# KiCad board pcb.kicad_pcb (continued)
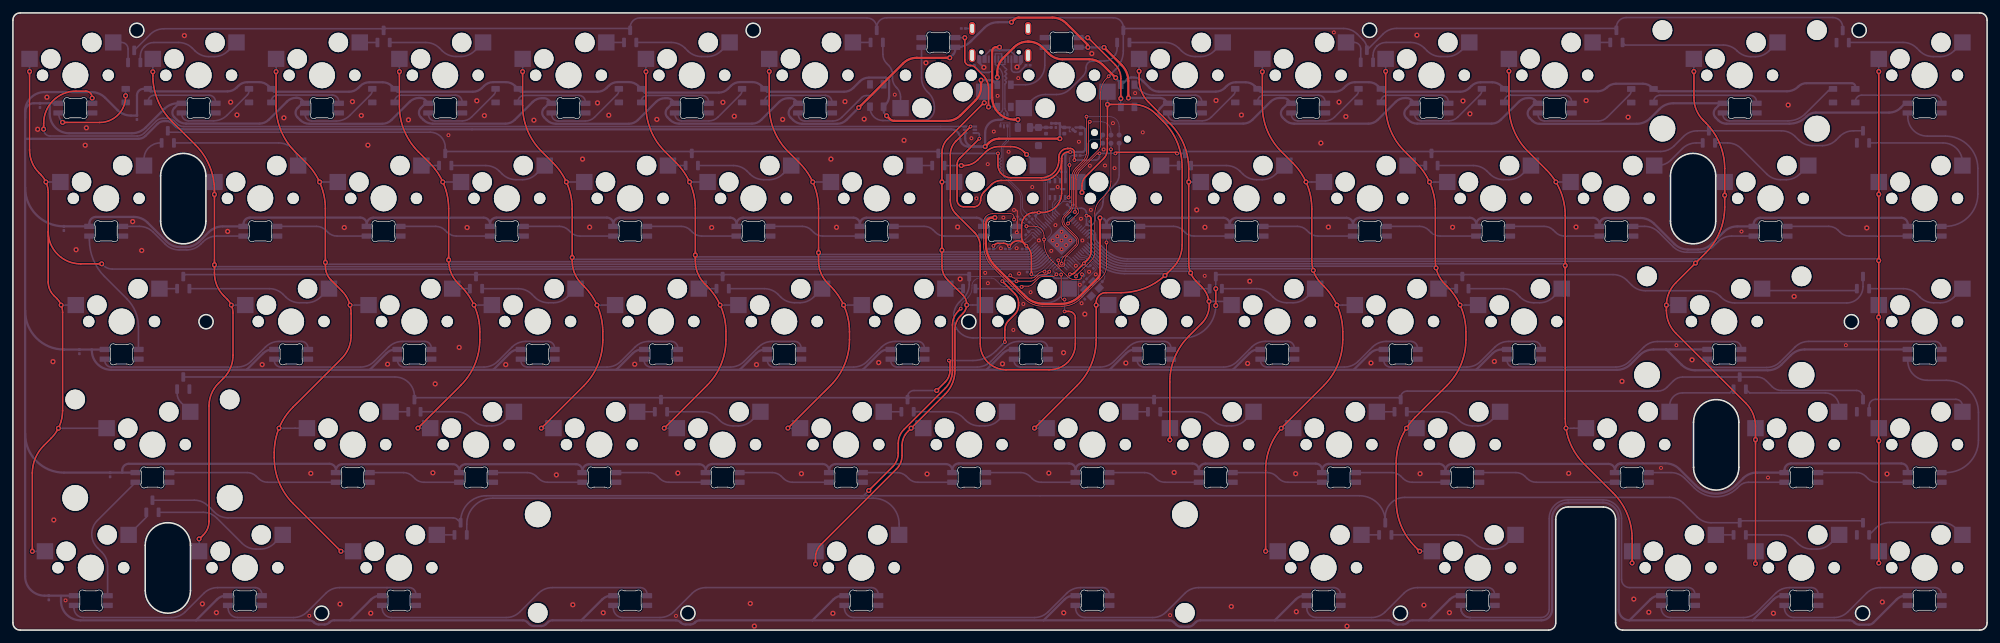
[diagram p0: board, top side]
## Routing (per net, layer and track width the routed paths; a pad name or vN(x,y) marks a point on that pad's centre or on a via; arc(x,y) is an arc through that point) (continued)
Net-(D19-DIN): length 11.9
  Bottom w0.25: D19.4 88.45,81.74 arc(88.16,82.45) 87.45,82.74 79.03,82.74 arc(78.32,82.45) 78.03,81.74 D4.4
Net-(D19-DOUT): length 13.5
  Bottom w0.25: D5.2 93.63,83.53 arc(93.55,83.15) 93.33,82.83 89.86,79.36 arc(89.22,78.92) 88.45,78.77 84.25,78.77 arc(83.54,79.06) 83.25,79.77 D19.2
Net-(D20-DIN): length 11.9
  Bottom w0.25: D5.4 97.08,81.74 arc(97.37,82.45) 98.08,82.74 106.5,82.74 arc(107.21,82.45) 107.5,81.74 D20.4
Net-(D20-DOUT): length 13.5
  Bottom w0.25: D6.2 112.67,83.51 arc(112.59,83.13) 112.37,82.81 108.94,79.38 arc(108.29,78.94) 107.53,78.79 103.3,78.79 arc(102.59,79.08) 102.3,79.79 D20.2
Net-(D21-DIN): length 11.9
  Bottom w0.25: D6.4 116.12,81.74 arc(116.41,82.45) 117.12,82.74 125.55,82.74 arc(126.26,82.45) 126.55,81.74 D21.4
Net-(D21-DOUT): length 16.2
  Bottom w0.25: D21.2 121.35,79.77 arc(121.64,79.06) 122.35,78.77 126.68,78.77 arc(127.45,78.92) 128.09,79.36 131.15,82.42 arc(131.48,82.63) 131.86,82.71 132.39,82.71 arc(132.78,82.79) 133.1,83 D7.2
Net-(D22-DIN): length 22.4
  Bottom w0.25: D7.4 132.44,80.85 arc(133.02,79.43) 134.44,78.85 140.62,78.85 arc(141.87,79.36) 142.38,80.61 142.38,80.98 arc(142.16,82.13) 141.51,83.1 141.28,83.33 arc(140.63,84.3) 140.4,85.45 D22.4
Net-(D22-DOUT): length 15.3
  Top w0.25: v1(147.09,91.67) 147.09,88.18 arc(147.33,87.6) 147.9,87.36 148.03,87.36 arc(148.38,87.29) 148.67,87.09 149.98,85.78 150.2,85.51 150.38,85.23 150.52,84.92 150.64,84.6 150.71,84.27 150.75,83.93 150.75,83.76 v1(150.75,80.94)
  Bottom w0.25: D22.2 147.08,91.68 v1(147.09,91.67) ; D8.2 150.76,80.94 v1(150.75,80.94)
Net-(D23-DIN): length 9.8
  Bottom w0.25: D23.4 159.45,87.39 arc(158.57,85.27) 156.45,84.39 D8.4
Net-(D23-DOUT): length 14.2
  Top w0.25: v1(171.2,82.25) 171.2,85.37 arc(170.97,86.52) 170.32,87.49 166.14,91.67 v1(166.08,91.67)
  Bottom w0.25: v1(166.08,91.67) 164.66,91.67 D23.2 ; D9.2 v1(171.2,82.25)
Net-(D24-DIN): length 11.8
  Bottom w0.25: D24.4 183.7,81.77 arc(183.41,82.48) 182.7,82.77 176.17,82.77 arc(175.02,83) 174.05,83.65 D9.4
Net-(D29-DOUT): length 28.4
  Bottom w0.25: D44.4 298.63,62.47 arc(302.16,63.93) 303.63,67.47 303.63,71.44 arc(302.16,74.98) 298.63,76.44 295.8,76.44 arc(293.68,77.32) 292.8,79.44 D29.2
Net-(D30-DIN): length 20.5
  Bottom w0.25: D31.2 31.5,60.97 arc(30.36,60.74) 29.38,60.09 29,59.71 arc(28.03,59.06) 26.88,58.83 25.67,58.83 arc(24.52,59.06) 23.54,59.71 21.66,61.59 arc(20.69,62.24) 19.54,62.47 D30.4
Net-(D30-DOUT): length 20.1
  Bottom w0.25: D45.4 19.39,46.93 arc(18.93,49.28) 17.6,51.27 14.16,54.71 arc(12.42,57.31) 11.81,60.37 D30.2
Net-(D31-DIN): length 14.3
  Bottom w0.25: D32.2 50.08,60.97 arc(49.31,61.12) 48.66,61.56 48.33,61.88 arc(47.68,62.32) 46.92,62.47 D31.4
Net-(D32-DIN): length 14.3
  Bottom w0.25: D33.2 68.51,60.97 arc(67.74,61.12) 67.09,61.56 66.76,61.88 arc(66.11,62.32) 65.35,62.47 D32.4
Net-(D33-DIN): length 14.3
  Bottom w0.25: D34.2 87.61,60.97 arc(86.84,61.12) 86.19,61.56 85.86,61.88 arc(85.21,62.32) 84.45,62.47 D33.4
Net-(D34-DIN): length 14.3
  Bottom w0.25: D34.4 103.27,62.47 arc(104.03,62.32) 104.68,61.88 105.01,61.56 arc(105.66,61.12) 106.43,60.97 D35.2
Net-(D35-DIN): length 14.3
  Bottom w0.25: D35.4 121.98,62.47 arc(122.74,62.32) 123.39,61.88 123.72,61.56 arc(124.37,61.12) 125.14,60.97 D36.2
Net-(D36-DIN): length 14.3
  Bottom w0.25: D36.4 140.81,62.47 arc(141.57,62.32) 142.22,61.88 142.55,61.56 arc(143.2,61.12) 143.97,60.97 D37.2
Net-(D37-DIN): length 42.1
  Top w0.128: v2(168.98,59.99) 168.98,56.34 arc(168.79,55.38) 168.24,54.56 164.96,51.29 arc(163.66,50.42) 162.13,50.11 159.11,50.11 arc(157.58,50.42) 156.28,51.29 151.44,56.13 arc(150.35,57.75) 149.97,59.67 149.97,63.04 arc(150.38,64.03) 151.37,64.44 154.19,64.44 arc(154.54,64.29) 154.69,63.94 v2(154.69,63.54)
  Bottom w0.128: D37.4 155.12,62.94 arc(155.09,63.09) 155.01,63.22 v2(154.69,63.54) ; v2(168.98,59.99) 168.97,59.99 D38.2
Net-(D38-DIN): length 14.3
  Bottom w0.25: D39.2 182.51,60.97 arc(181.74,61.12) 181.09,61.56 180.76,61.88 arc(180.11,62.32) 179.35,62.47 D38.4
Net-(D39-DIN): length 14.3
  Bottom w0.25: D40.2 201.65,60.97 arc(200.88,61.12) 200.23,61.56 199.9,61.88 arc(199.25,62.32) 198.49,62.47 D39.4
Net-(D40-DIN): length 14.3
  Bottom w0.25: D41.2 220.53,60.97 arc(219.76,61.12) 219.11,61.56 218.78,61.88 arc(218.13,62.32) 217.37,62.47 D40.4
Net-(D41-DIN): length 14.3
  Bottom w0.25: D41.4 236.62,62.47 arc(237.38,62.32) 238.03,61.88 238.36,61.56 arc(239.01,61.12) 239.78,60.97 D42.2
Net-(D42-DIN): length 20.8
  Bottom w0.25: D42.4 252.16,62.47 arc(253.31,62.24) 254.28,61.59 256.53,59.34 arc(257.5,58.69) 258.65,58.46 260.58,58.46 arc(261.73,58.69) 262.7,59.34 263.45,60.09 arc(264.43,60.74) 265.57,60.97 D43.2
Net-(D43-DIN): length 19.1
  Bottom w0.25: D44.2 283.76,60.97 arc(282.99,61.12) 282.34,61.56 282.01,61.88 arc(281.36,62.32) 280.6,62.47 D43.4
Net-(D45-DOUT): length 34.4
  Bottom w0.25: D46.4 45.59,43.67 arc(45.29,44.38) 44.59,44.67 41.14,44.67 arc(39.99,44.44) 39.01,43.79 36.8,41.58 arc(35.83,40.93) 34.68,40.7 15.19,40.7 arc(14.49,40.99) 14.19,41.7 D45.2
Net-(D46-DOUT): length 27.2
  Bottom w0.25: D47.4 64.64,43.67 arc(64.34,44.38) 63.64,44.67 60.17,44.67 arc(59.03,44.44) 58.05,43.79 55.84,41.58 arc(54.87,40.93) 53.72,40.7 41.39,40.7 arc(40.68,40.99) 40.39,41.7 D46.2
Net-(D47-DOUT): length 27.2
  Bottom w0.25: D48.4 83.69,43.67 arc(83.39,44.38) 82.69,44.67 79.24,44.67 arc(78.1,44.44) 77.12,43.79 74.91,41.58 arc(73.94,40.93) 72.79,40.7 60.44,40.7 arc(59.73,40.99) 59.44,41.7 D47.2
Net-(D48-DOUT): length 27.2
  Bottom w0.25: D49.4 102.74,43.67 arc(102.44,44.38) 101.74,44.67 98.25,44.67 arc(97.11,44.44) 96.13,43.79 93.92,41.58 arc(92.95,40.93) 91.8,40.7 79.49,40.7 arc(78.78,40.99) 78.49,41.7 D48.2
Net-(D49-DOUT): length 27.2
  Bottom w0.25: D50.4 121.79,43.67 arc(121.49,44.38) 120.79,44.67 117.33,44.67 arc(116.19,44.44) 115.21,43.79 113,41.58 arc(112.03,40.93) 110.88,40.7 98.54,40.7 arc(97.83,40.99) 97.54,41.7 D49.2
Net-(D50-DOUT): length 27.2
  Bottom w0.25: D50.2 116.59,41.7 arc(116.88,40.99) 117.59,40.7 129.89,40.7 arc(131.04,40.93) 132.01,41.58 134.22,43.79 arc(135.2,44.44) 136.34,44.67 139.84,44.67 arc(140.54,44.38) 140.84,43.67 D51.4
Net-(D51-DOUT): length 27.2
  Bottom w0.25: D51.2 135.64,41.7 arc(135.93,40.99) 136.64,40.7 149,40.7 arc(150.15,40.93) 151.12,41.58 153.33,43.79 arc(154.31,44.44) 155.45,44.67 158.89,44.67 arc(159.59,44.38) 159.89,43.67 D52.4
Net-(D52-DOUT): length 27.2
  Bottom w0.25: D53.4 178.94,43.67 arc(178.64,44.38) 177.94,44.67 174.47,44.67 arc(173.33,44.44) 172.35,43.79 170.14,41.58 arc(169.17,40.93) 168.02,40.7 155.69,40.7 arc(154.98,40.99) 154.69,41.7 D52.2
Net-(D53-DOUT): length 27.3
  Bottom w0.25: D54.4 197.99,43.68 arc(197.69,44.39) 196.99,44.68 193.55,44.68 arc(192.4,44.45) 191.42,43.8 189.2,41.58 arc(188.23,40.93) 187.08,40.7 174.74,40.7 arc(174.03,40.99) 173.74,41.7 D53.2
Net-(D54-DOUT): length 27.2
  Bottom w0.25: D54.2 192.79,41.7 arc(193.08,40.99) 193.79,40.7 205.75,40.7 arc(206.9,40.93) 207.87,41.58 210.08,43.79 arc(211.06,44.44) 212.2,44.67 216.04,44.67 arc(216.74,44.38) 217.04,43.67 D55.4
Net-(D55-DOUT): length 27.2
  Bottom w0.25: D56.4 236.09,43.67 arc(235.79,44.38) 235.09,44.67 231.12,44.67 arc(229.98,44.44) 229,43.79 226.79,41.58 arc(225.82,40.93) 224.67,40.7 212.84,40.7 arc(212.13,40.99) 211.84,41.7 D55.2
Net-(D56-DOUT): length 39.1
  Bottom w0.25: D56.2 230.89,41.7 arc(231.18,40.99) 231.89,40.7 247.68,40.7 arc(248.83,40.93) 249.8,41.58 251.99,43.77 arc(252.97,44.42) 254.12,44.65 266.04,44.65 arc(266.75,44.36) 267.04,43.65 D57.4
Net-(D57-DOUT): length 39.3
  Bottom w0.25: D58.4 298,43.67 arc(297.71,44.38) 297,44.67 277.49,44.67 arc(276.35,44.44) 275.37,43.79 273.09,41.51 arc(272.12,40.86) 270.97,40.63 262.84,40.63 arc(262.14,40.92) 261.84,41.63 D57.2
Net-(D58-DOUT): length 28.6
  Bottom w0.25: D72.4 298.72,24.37 arc(302.25,25.83) 303.72,29.37 303.72,33.65 arc(302.25,37.19) 298.72,38.65 295.8,38.65 arc(293.68,39.53) 292.8,41.65 D58.2
Net-(D59-DIN): length 26.2
  Bottom w0.25: D59.4 36.21,24.37 arc(36.97,24.22) 37.62,23.78 37.95,23.46 arc(38.6,23.02) 39.37,22.87 D60.2
Net-(D59-DOUT): length 21
  Bottom w0.25: D59.2 13.06,16.97 arc(12.18,14.85) 13.06,12.73 13.75,12.03 arc(14.4,11.06) 14.63,9.91 D73.4
Net-(D60-DIN): length 14.3
  Bottom w0.25: D61.2 63.52,22.87 arc(62.75,23.02) 62.1,23.46 61.77,23.78 arc(61.12,24.22) 60.36,24.37 55.11,24.37
Net-(D61-DIN): length 14.3
  Bottom w0.25: D62.2 82.64,22.87 arc(81.87,23.02) 81.22,23.46 80.89,23.78 arc(80.24,24.22) 79.48,24.37 D61.4
Net-(D62-DIN): length 14.3
  Bottom w0.25: 107.06,22.87 101.36,22.87 arc(100.59,23.02) 99.94,23.46 99.61,23.78 arc(98.96,24.22) 98.2,24.37 D62.4
Net-(D63-DIN): length 14.3
  Bottom w0.25: D63.4 117.33,24.37 arc(118.09,24.22) 118.74,23.78 119.07,23.46 arc(119.72,23.02) 120.49,22.87 D64.2
Net-(D64-DIN): length 14.3
  Bottom w0.25: D65.2 139.82,22.87 arc(139.05,23.02) 138.4,23.46 138.07,23.78 arc(137.42,24.22) 136.66,24.37 D64.4
Net-(D65-DIN): length 14.3
  Bottom w0.25: D65.4 155.74,24.37 arc(156.5,24.22) 157.15,23.78 157.48,23.46 arc(158.13,23.02) 158.9,22.87 D66.2
Net-(D66-DIN): length 14.3
  Bottom w0.25: 169.41,24.37 174.86,24.37 arc(175.62,24.22) 176.27,23.78 176.6,23.46 arc(177.25,23.02) 178.02,22.87 D67.2
Net-(D67-DIN): length 14.3
  Bottom w0.25: D68.2 197.01,22.87 arc(196.24,23.02) 195.59,23.46 195.26,23.78 arc(194.61,24.22) 193.85,24.37 D67.4
Net-(D68-DIN): length 14.3
  Bottom w0.25: D69.2 216.23,22.87 arc(215.46,23.02) 214.81,23.46 214.48,23.78 arc(213.83,24.22) 213.07,24.37 D68.4
Net-(D69-DIN): length 21.4
  Bottom w0.25: 226.56,24.37 232.24,24.37 arc(233,24.22) 233.65,23.78 233.98,23.46 arc(234.63,23.02) 235.4,22.87 D70.2
Net-(D70-DIN): length 22.9
  Bottom w0.25: D70.4 256.2,24.37 arc(257.35,24.14) 258.32,23.49 259.81,22.01 arc(263.14,20.63) 266.47,22.01 266.75,22.28 arc(267.4,22.72) 268.17,22.87 D71.2
Net-(D71-DIN): length 14.3
  Bottom w0.25: D72.2 288.05,22.87 arc(287.28,23.02) 286.63,23.46 286.3,23.78 arc(285.65,24.22) 284.89,24.37 D71.4
Net-(D73-DOUT): length 32.8
  Bottom w0.25: D73.2 9.43,3.39 arc(9.86,2.37) 10.88,1.94 24.5,1.94 arc(25.65,2.17) 26.63,2.82 29.5,5.69 arc(30.47,6.34) 31.62,6.57 37.45,6.57 arc(38.15,6.28) 38.45,5.57 38.45,5.32
Net-(D74-DOUT): length 32.7
  Bottom w0.25: 62.26,5.32 62.26,5.57 arc(61.96,6.28) 61.26,6.57 57.81,6.57 50.47,6.57 arc(49.32,6.34) 48.35,5.69 45.48,2.82 arc(44.5,2.17) 43.35,1.94 34.7,1.94 arc(33.67,2.37) 33.25,3.39 33.25,3.82
Net-(D75-DOUT): length 44.7
  Bottom w0.25: 57.06,3.82 57.06,3.39 arc(57.48,2.37) 58.51,1.94 76.21,1.94 arc(77.36,2.17) 78.34,2.82 81.21,5.69 arc(82.18,6.34) 83.33,6.57 96.98,6.57 arc(97.68,6.28) 97.98,5.57 97.98,5.32
Net-(D76-DOUT): length 44.7
  Bottom w0.25: 92.78,3.82 92.78,3.39 arc(93.2,2.37) 94.23,1.94 99.96,1.94 arc(101.11,2.17) 102.09,2.82 104.96,5.69 arc(105.93,6.34) 107.08,6.57 132.7,6.57 arc(133.4,6.28) 133.7,5.57 133.7,5.32
Net-(D77-DOUT): length 44.7
  Bottom w0.25: 128.49,3.82 128.49,3.39 arc(128.91,2.37) 129.94,1.94 157.84,1.94 arc(158.99,2.17) 159.96,2.82 162.84,5.69 arc(163.81,6.34) 164.96,6.57 ; 164.96,6.57 168.41,6.57 arc(169.11,6.28) 169.41,5.57 169.41,5.32
Net-(D78-DOUT): length 44.7
  Bottom w0.25: 205.13,5.32 205.13,5.57 arc(204.83,6.28) 204.13,6.57 183.22,6.57 arc(182.07,6.34) 181.1,5.69 178.23,2.82 arc(177.25,2.17) 176.1,1.94 165.66,1.94 arc(164.63,2.37) 164.21,3.39 164.21,3.82
Net-(D79-DOUT): length 32.7
  Bottom w0.25: 228.94,5.32 228.94,5.57 arc(228.64,6.28) 227.94,6.57 217.05,6.57 arc(215.9,6.34) 214.93,5.69 212.06,2.82 arc(211.08,2.17) 209.93,1.94 201.38,1.94 arc(200.35,2.37) 199.93,3.39 199.93,3.82
Net-(D80-DOUT): length 66.5
  Bottom w0.25: 223.74,3.82 223.74,3.4 arc(223.74,3.39) 223.74,3.39 223.74,3.35 arc(223.74,3.28) 223.75,3.21 223.76,3.13 arc(223.78,3.05) 223.8,2.98 223.82,2.91 arc(223.85,2.84) 223.88,2.77 223.91,2.7 arc(223.95,2.63) 224,2.57 224.04,2.51 arc(224.09,2.45) 224.14,2.39 224.19,2.34 arc(224.25,2.29) 224.31,2.24 224.37,2.2 arc(224.43,2.15) 224.5,2.12 224.56,2.08 arc(224.63,2.05) 224.71,2.02 224.78,2 arc(224.85,1.98) 224.93,1.97 225.01,1.95 arc(225.08,1.94) 225.15,1.94 225.18,1.94 arc(225.19,1.94) 225.2,1.94 236.12,1.94 arc(237.02,2.31) 237.39,3.2 237.39,17.26 arc(238.24,19.31) 240.28,20.15 245.68,20.15 arc(247.72,19.31) 248.56,17.27 248.56,7.84 arc(248.94,6.94) 249.83,6.57 258.9,6.57 arc(259.6,6.28) 259.9,5.57 259.9,5.32
Net-(D81-DOUT): length 28
  Bottom w0.25: 278.95,5.32 278.95,5.57 arc(278.65,6.28) 277.95,6.57 274.5,6.57 ; 254.7,3.82 254.7,3.39 arc(255.12,2.37) 256.15,1.94 267.38,1.94 arc(268.53,2.17) 269.5,2.82 272.38,5.69 arc(273.35,6.34) 274.5,6.57
Net-(D82-DOUT): length 28
  Bottom w0.25: 298,5.32 298,5.57 arc(297.7,6.28) 297,6.57 288.53,6.57 arc(287.38,6.34) 286.41,5.69 283.54,2.82 arc(282.56,2.17) 281.41,1.94 275.2,1.94 arc(274.17,2.37) 273.75,3.39 273.75,3.82
Net-(D84-A1): length 18.5
  Bottom w0.25: D84.1 19.69,88.84 arc(19.84,89.61) 20.27,90.26 20.35,90.34 arc(21,90.77) 21.77,90.92 25.6,90.92 arc(26.75,90.69) 27.72,90.04 28.15,89.62 arc(29.12,88.97) 30.27,88.74 31.11,88.74 arc(32.26,88.97) 33.23,89.62 MX2.2
Net-(D84-A2): length 5
  Bottom w0.25: D84.2 17.79,89.93 arc(17.49,90.64) 16.79,90.93 MX1.2
Net-(D85-A1): length 15.8
  Bottom w0.25: D85.1 63.8,90.92 arc(64.95,90.69) 65.92,90.04 66.33,89.64 arc(67.3,88.99) 68.45,88.76 69.23,88.76 arc(70.38,88.99) 71.35,89.64 MX4.2
Net-(D85-A2): length 2.7
  Bottom w0.25: D85.2 53.6,90.92 MX3.2
Net-(D86-A1): length 15.8
  Bottom w0.25: MX6.2 109.44,89.63 arc(108.47,88.98) 107.32,88.75 106.4,88.75 arc(105.25,88.98) 104.28,89.63 103.85,90.05 arc(102.88,90.7) 101.73,90.93 D86.1
Net-(D86-A2): length 2.7
  Bottom w0.25: MX5.2 91.69,90.93 D86.2
Net-(D87-A1): length 10.9
  Bottom w0.25: D87.1 134.43,89.1 arc(134.58,88.33) 135.01,87.68 135.32,87.38 arc(135.75,86.73) 135.91,85.96 135.91,85.41 arc(136.06,84.64) 136.49,83.99 136.57,83.92 arc(137.01,83.27) 137.16,82.5 MX8.2
Net-(D87-A2): length 2.7
  Bottom w0.25: D87.2 129.79,90.93 MX7.2
Net-(D88-A1): length 15.8
  Bottom w0.25: MX10.2 185.64,89.63 arc(184.67,88.98) 183.52,88.75 182.69,88.75 arc(181.54,88.98) 180.57,89.63 180.15,90.04 arc(179.18,90.69) 178.03,90.92 D88.1
Net-(D88-A2): length 19.8
  Bottom w0.25: D88.2 170.63,90.06 arc(170.04,88.65) 168.63,88.06 166.83,88.06 arc(166.12,87.77) 165.83,87.06 165.83,86.92 arc(165.7,86.26) 165.32,85.69 163.38,83.75 arc(162.41,83.1) 161.26,82.87 159.55,82.87 arc(158.41,82.65) 157.43,82 MX9.2
Net-(D89-A1): length 18.5
  Bottom w0.25: MX12.2 223.74,89.63 arc(222.77,88.98) 221.62,88.75 220.65,88.75 arc(219.5,88.98) 218.53,89.63 218.1,90.05 arc(217.13,90.7) 215.98,90.93 212.18,90.93 arc(211.41,90.78) 210.76,90.35 210.75,90.34 arc(210.32,89.69) 210.17,88.92 D89.1
Net-(D89-A2): length 4.9
  Bottom w0.25: MX11.2 207.27,90.93 arc(207.97,90.64) 208.27,89.93 D89.2
Net-(D90-A1): length 25.4
  Bottom w0.25: MX14.2 271.35,89.61 arc(270.37,88.96) 269.22,88.73 268.57,88.73 arc(267.42,88.96) 266.45,89.61 266.41,89.65 arc(265.43,90.3) 264.28,90.53 249.13,90.53 D90.1
Net-(D90-A2): length 2.7
  Bottom w0.25: MX13.2 244.09,90.93 D90.2
Net-(D91-A1): length 19
  Bottom w0.25: D91.1 283.72,90.93 292.07,90.93 arc(293.22,90.7) 294.19,90.05 294.63,89.62 arc(295.6,88.97) 296.75,88.74 297.81,88.74 arc(298.96,88.97) 299.93,89.62 MX15.2
Net-(D92-A1): length 21.4
  Bottom w0.25: D92.1 41.07,75.38 arc(43.19,74.5) 44.07,72.38 MX17.2
Net-(D92-A2): length 5.2
  Bottom w0.25: MX16.2 20.25,72.88 arc(20.99,74.65) 22.75,75.38 D92.2
Net-(D93-A1): length 15.8
  Bottom w0.25: MX19.2 80.87,70.58 arc(79.89,69.93) 78.74,69.7 77.72,69.7 arc(76.57,69.93) 75.6,70.58 75.17,71 arc(74.2,71.65) 73.05,71.88 D93.1
Net-(D93-A2): length 2.7
  Bottom w0.25: MX18.2 63.12,71.88 D93.2
Net-(D94-A1): length 15.8
  Bottom w0.25: D94.1 111.33,71.88 arc(112.48,71.65) 113.45,71 113.88,70.58 arc(114.85,69.93) 116,69.7 116.84,69.7 arc(117.99,69.93) 118.97,70.58 MX21.2
Net-(D94-A2): length 2.7
  Bottom w0.25: MX20.2 101.22,71.88 D94.2
Net-(D95-A1): length 16.5
  Top w0.25: v1(156.64,73.6) 156.31,73.93 156.31,73.94 arc(155.33,74.59) 154.18,74.82 152.39,74.82 arc(151.24,74.59) 150.27,73.94 149.09,72.76 arc(148.11,72.11) 146.97,71.88 146.55,71.88 v1(146.55,71.88)
  Bottom w0.25: D95.1 143.95,71.88 v1(146.55,71.88) ; MX23.2 156.65,73.6 v1(156.64,73.6)
Net-(D95-A2): length 2.7
  Bottom w0.25: D95.2 139.32,71.88 MX22.2
Net-(D96-A1): length 15.8
  Bottom w0.25: D96.1 187.49,71.88 arc(188.64,71.65) 189.61,71 190.04,70.58 arc(191.01,69.93) 192.16,69.7 193.04,69.7 arc(194.19,69.93) 195.17,70.58 MX25.2
Net-(D96-A2): length 2.7
  Bottom w0.25: MX24.2 180.14,71.88 D96.2
Net-(D97-A1): length 15.8
  Bottom w0.25: D97.1 225.67,71.88 arc(226.82,71.65) 227.79,71 228.21,70.59 arc(229.18,69.94) 230.33,69.71 231.15,69.71 arc(232.3,69.94) 233.28,70.59 MX27.2
Net-(D97-A2): length 2.7
  Bottom w0.25: MX26.2 218.24,71.88 D97.2
Net-(D98-A1): length 17.3
  Bottom w0.25: D98.1 263.01,75.38 264.95,75.38 arc(266.1,75.15) 267.08,74.5 271,70.58 arc(271.97,69.93) 273.12,69.7 274.01,69.7 arc(275.15,69.93) 276.13,70.58 MX29.2
Net-(D98-A2): length 8.7
  Bottom w0.25: D98.2 260.09,75.38 arc(258.94,75.15) 257.97,74.5 256.23,72.76 arc(255.25,72.11) 254.1,71.88 MX28.2
Net-(D99-A1): length 16.6
  Bottom w0.25: MX30.2 301.24,72.38 arc(300.36,74.5) 298.24,75.38 D99.1
Net-(D100-A1): length 23
  Bottom w0.25: D100.1 39.62,52.83 arc(40.77,52.6) 41.74,51.95 42.17,51.53 arc(43.14,50.88) 44.29,50.65 45.41,50.65 arc(46.55,50.88) 47.53,51.53 MX32.2
Net-(D100-A2): length 2.7
  Bottom w0.25: D100.2 22.64,52.83 MX31.2
Net-(D101-A1): length 15.8
  Bottom w0.25: D101.1 78.07,52.83 arc(79.22,52.6) 80.19,51.95 80.62,51.53 arc(81.59,50.88) 82.74,50.65 83.51,50.65 arc(84.65,50.88) 85.63,51.53 MX34.2
Net-(D101-A2): length 2.7
  Bottom w0.25: D101.2 67.88,52.83 MX33.2
Net-(D102-A1): length 15.8
  Bottom w0.25: MX36.2 123.74,51.54 arc(122.76,50.89) 121.62,50.66 120.76,50.66 arc(119.61,50.89) 118.64,51.54 118.22,51.95 arc(117.25,52.6) 116.1,52.83 D102.1
Net-(D102-A2): length 2.7
  Bottom w0.25: MX35.2 105.98,52.83 D102.2
Net-(D103-A1): length 15.8
  Bottom w0.25: MX38.2 161.83,51.53 arc(160.85,50.88) 159.71,50.65 158.84,50.65 arc(157.69,50.88) 156.72,51.53 156.29,51.95 arc(155.32,52.6) 154.17,52.83 D103.1
Net-(D103-A2): length 2.7
  Bottom w0.25: MX37.2 144.08,52.83 D103.2
Net-(D104-A1): length 15.8
  Bottom w0.25: D104.1 192.18,52.83 arc(193.33,52.6) 194.3,51.95 194.73,51.53 arc(195.7,50.88) 196.85,50.65 197.81,50.65 arc(198.95,50.88) 199.93,51.53 MX40.2
Net-(D104-A2): length 2.7
  Bottom w0.25: D104.2 182.18,52.83 MX39.2
Net-(D105-A1): length 15.8
  Bottom w0.25: D105.1 230.34,52.83 arc(231.49,52.6) 232.46,51.95 232.89,51.53 arc(233.86,50.88) 235.01,50.65 235.91,50.65 arc(237.05,50.88) 238.03,51.53 MX42.2
Net-(D105-A2): length 2.7
  Bottom w0.25: D105.2 220.28,52.83 MX41.2
Net-(D106-A1): length 15.8
  Bottom w0.25: D106.1 292.12,52.83 arc(293.27,52.6) 294.24,51.95 294.68,51.52 arc(295.65,50.87) 296.8,50.64 297.81,50.64 arc(298.96,50.87) 299.93,51.52 MX44.2
Net-(D106-A2): length 14.9
  Bottom w0.25: MX43.2 270.58,52.53 284.63,52.53 D106.2
Net-(D107-A2): length 4.3
  Bottom w0.25: MX45.2 25.95,35.22 arc(25.52,35.87) 25.37,36.64 D107.2
Net-(D108-A1): length 15.8
  Bottom w0.25: MX47.2 76.1,32.48 arc(75.13,31.83) 73.98,31.6 73.21,31.6 arc(72.06,31.83) 71.09,32.48 70.66,32.9 arc(69.69,33.55) 68.54,33.78 D108.1
Net-(D108-A2): length 2.7
  Bottom w0.25: D108.2 58.36,33.78 MX46.2
Net-(D109-A1): length 15.8
  Bottom w0.25: D109.1 106.62,33.78 arc(107.77,33.55) 108.74,32.9 109.17,32.48 arc(110.14,31.83) 111.29,31.6 112.08,31.6 arc(113.23,31.83) 114.2,32.48 MX49.2
Net-(D109-A2): length 2.7
  Bottom w0.25: 96.45,33.78 99.18,33.78 D109.2
Net-(D110-A1): length 15.8
  Bottom w0.25: D110.1 144.66,33.78 arc(145.81,33.55) 146.78,32.9 147.21,32.48 arc(148.18,31.83) 149.33,31.6 150.18,31.6 arc(151.33,31.83) 152.3,32.48 MX51.2
Net-(D110-A2): length 2.7
  Bottom w0.25: D110.2 137.28,33.78 MX50.2
Net-(D111-A1): length 15.8
  Bottom w0.25: MX53.2 190.4,32.48 arc(189.43,31.83) 188.28,31.6 187.56,31.6 arc(186.41,31.83) 185.44,32.48 185.01,32.9 arc(184.04,33.55) 182.89,33.78 D111.1
Net-(D111-A2): length 2.7
  Bottom w0.25: MX52.2 175.38,33.78 D111.2
Net-(D112-A1): length 15.8
  Bottom w0.25: D112.1 220.87,33.78 arc(222.02,33.55) 222.99,32.9 223.42,32.48 arc(224.39,31.83) 225.54,31.6 226.38,31.6 arc(227.53,31.83) 228.5,32.48 MX55.2
Net-(D112-A2): length 2.7
  Bottom w0.25: MX54.2 213.48,33.78 D112.2
Net-(D113-A1): length 16.7
  Bottom w0.25: MX57.2 282.19,34.56 arc(281.56,36.07) 280.05,36.7 268.36,36.7 D113.1
Net-(D113-A2): length 12.2
  Bottom w0.25: D113.2 265.3,36.71 258,36.71 arc(256.58,36.12) 256,34.71 MX56.2
Net-(D114-A1): length 17.4
  Bottom w0.25: D114.1 286.83,34.7 arc(287.12,35.41) 287.83,35.7 300.24,35.7 arc(300.95,35.41) 301.24,34.7 MX58.2
Net-(D115-A1): length 22.1
  Bottom w0.25: D115.1 29.37,18.22 arc(30.52,17.99) 31.49,17.34 35.42,13.42 arc(36.39,12.77) 37.54,12.54 38.25,12.54 arc(39.4,12.77) 40.37,13.42 MX60.2
Net-(D115-A2): length 4.6
  Bottom w0.25: D115.2 20.61,17.46 MX59.2
Net-(D116-A1): length 74.7
  Bottom w0.25: MX62.2 136.94,16.41 arc(135.76,19.24) 132.94,20.41 74.15,20.41 arc(71.31,19.23) 70.13,16.39 D116.1
Net-(D116-A2): length 2.7
  Bottom w0.25: D116.2 65.5,14.73 MX61.2
Net-(D117-A1): length 20.6
  Bottom w0.25: MX64.2 230.88,13.43 arc(229.91,12.78) 228.76,12.55 228,12.55 arc(226.85,12.78) 225.88,13.43 225.45,13.85 arc(224.48,14.5) 223.33,14.73 D117.1
Net-(D117-A2): length 2.7
  Bottom w0.25: MX63.2 208.38,14.73 D117.2
Net-(D118-A1): length 15.8
  Bottom w0.25: MX66.2 280.88,13.42 arc(279.91,12.77) 278.76,12.54 277.92,12.54 arc(276.77,12.77) 275.8,13.42 275.36,13.85 arc(274.39,14.5) 273.24,14.73 D118.1
Net-(D118-A2): length 2.7
  Bottom w0.25: MX65.2 263.14,14.73 D118.2
Net-(D119-A1): length 15.7
  Bottom w0.25: MX67.2 300.2,15.78 arc(299.22,16.43) 298.07,16.65 289.99,16.65 arc(288.84,16.43) 287.87,15.78 D119.1
Net-(D120-A2): length 3.3
  Bottom w0.35: F1.2 D120.2 160.45,77.77 FB1.1
Net-(F1-Pad1): length 22.8
  Top w0.35: v1(155.29,78.99) 154.76,78.99 arc(152.33,80) 151.32,82.44 151.32,89.63 arc(151.48,90.03) 151.88,90.2 v1(152.45,90.2)
  Bottom w0.25: 154.03,89.72 154.06,89.72 154.94,88.84 J2.A9 ; J2.A4 150.14,88.85 151.01,89.72 151.05,89.72
  Bottom w0.35: v1(155.29,78.99) 155.29,78.99 F1.1 ; 154.03,89.72 152.45,89.72 ; 152.45,89.72 v1(152.45,90.2) ; 152.45,89.72 151.05,89.72
Net-(J2-CC1): length 5
  Bottom w0.25: R3.1 149.49,86.44 arc(149.65,86.33) 149.84,86.29 150.79,86.29 arc(151.14,86.44) 151.29,86.79 J2.A5
Net-(J2-CC2): length 4.5
  Bottom w0.25: R4.1 155.6,86.46 arc(155.44,86.35) 155.25,86.31 154.79,86.31 arc(154.43,86.46) 154.29,86.81 J2.B5
Net-(J2-SHIELD): length 1
  Bottom w0.25: FB2.1 J2.S1
Net-(U6-XTAL_IN): length 7.6
  Bottom w0.128: U6.20 165.21,57.96 arc(165.85,57.83) 166.38,57.48 168.43,55.43 arc(168.72,54.72) 168.43,54.02 C23.2 167.86,53.45 Y2.3
Net-(U6-XTAL_OUT): length 5.9
  Bottom w0.128: R20.2 167.32,55.75 arc(167.41,55.96) 167.32,56.17 166.25,57.25 arc(165.78,57.56) 165.23,57.67 164.94,57.67 U6.21

## Copper pours and planes (outline as drawn; the poured copper is in the pictures)
GND on Top, Bottom: 322.68,-15.76 -22.32,-15.76 -22.32,114.24 322.68,114.24
GND on Bottom: 165.33,76.28 165.33,77.49 162.23,77.49 162.22,76.34

Small or netless copper shapes (teardrops, artwork), in the pictures only: 142 on Top, 618 on Bottom
